# Altium PCB BOTTOM-COMPARATOR.PcbDoc (part 2 of 2)
Units mm, origin at the board's own origin, x right, y up, seen from the top; angles counter-clockwise.
Board outline 147.72 x 166.97 mm, 2 copper layers (Top Layer, Bottom Layer), stack 1.181 mm thick; 137 components, 83 nets, 480 pads, 108 vias.
Unrouted connection lines stored in the file: 4.
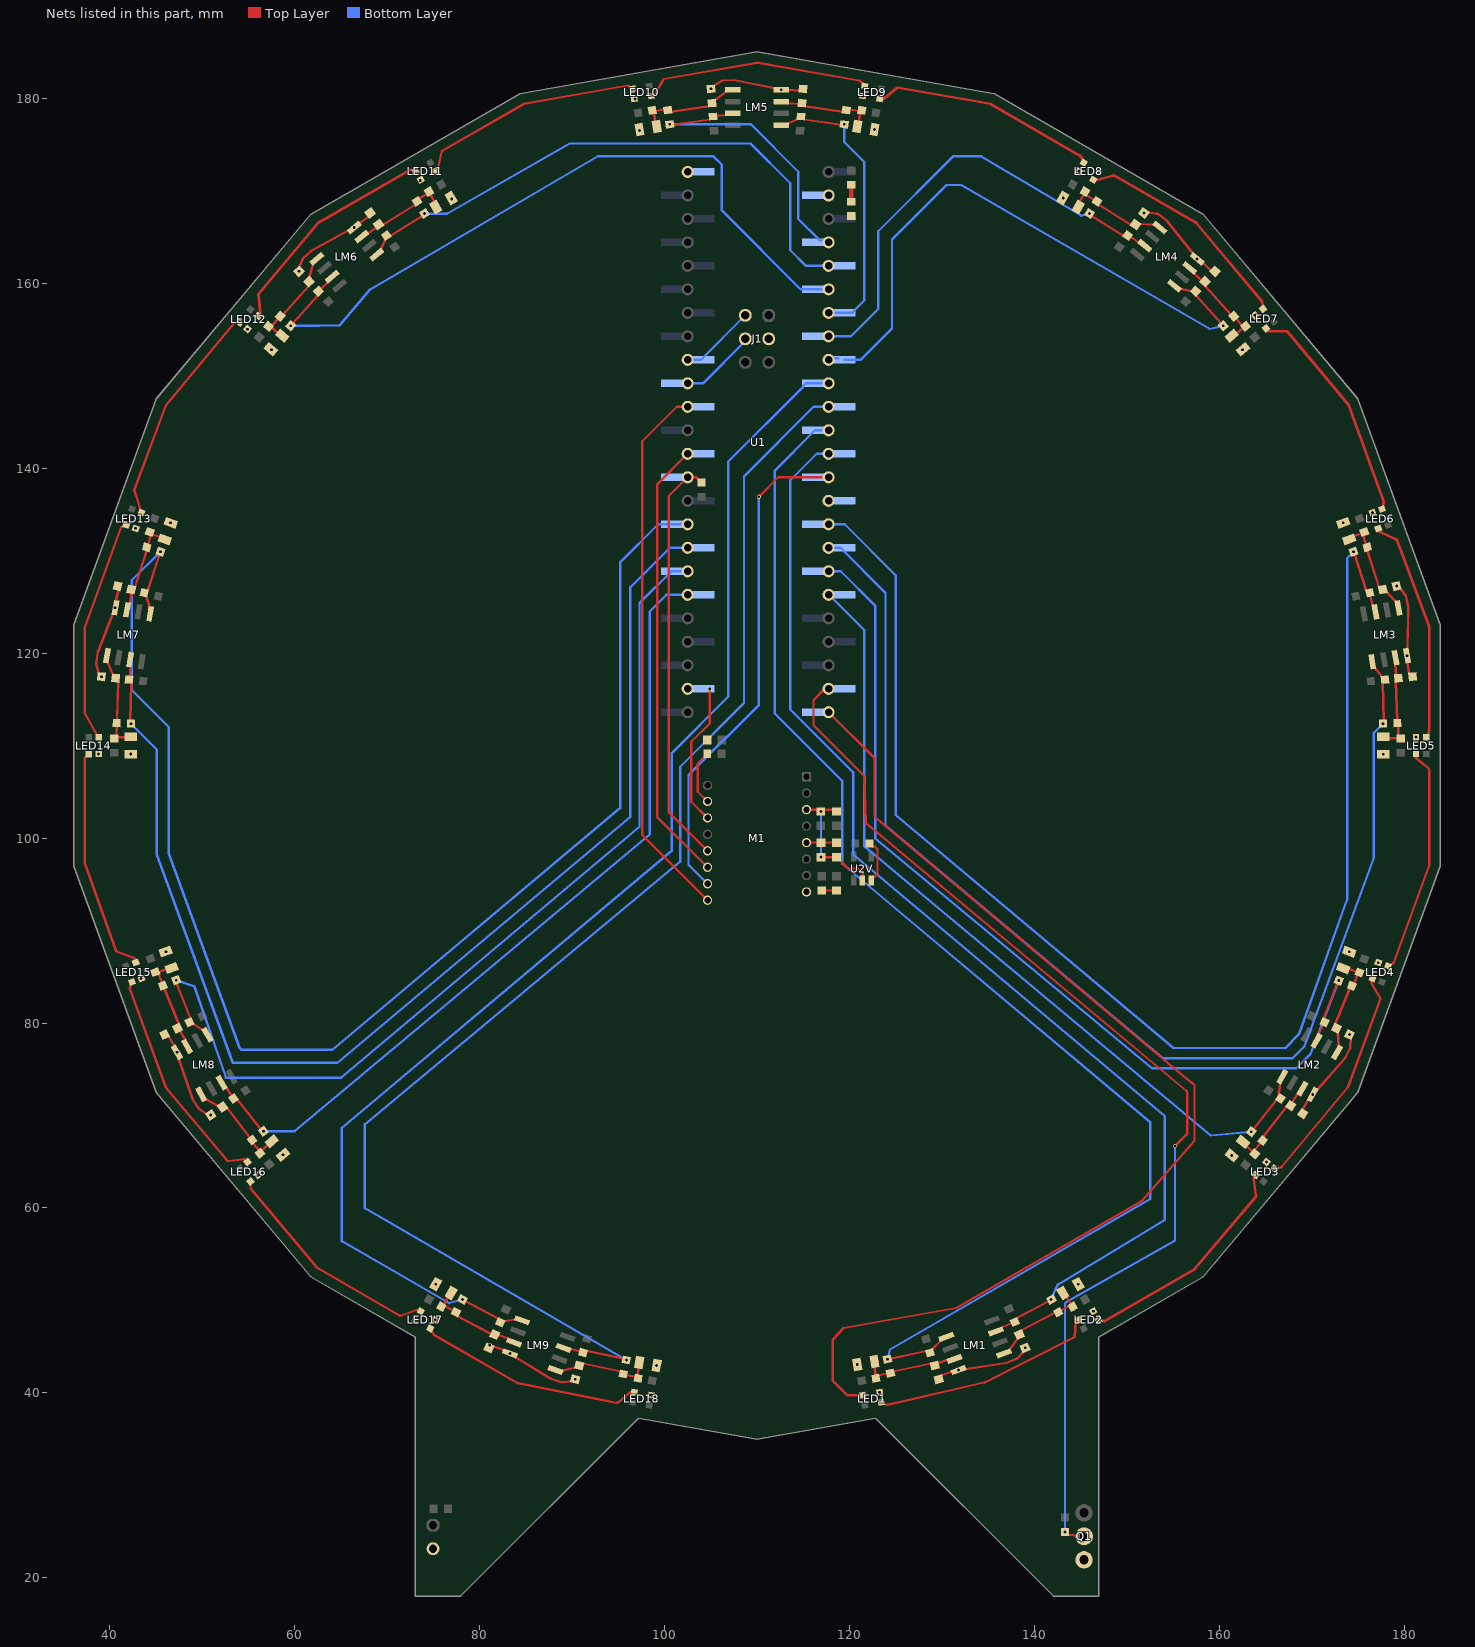
[diagram p2: the nets of this part, all layers, seen from the top]

## Via types
v1: diameter 0.45, hole 0.3, Top Layer to Bottom Layer, tented both sides, 102 vias
v2: diameter 0.5, hole 0.3, Top Layer to Bottom Layer, tented both sides, 3 vias
v3: diameter 6, hole 3, Top Layer to Bottom Layer, 3 vias

## Nets (pads, with @x,y where several pads share a name; then routed paths per layer and width w, separated by ;. In a path a pad name is that pad's centre, name@x,y a point inside that pad or via, vN(x,y) a via of type N, cw(c..) or ccw(c..) an arc to the next point about the centre after c; other vN are vias at no path point) (continued)
GND: C1.1 C01.1 C2.1 C02.2 C3.1 C03.1 C4.1 C04.1 C05.1 C5.2 C06.2 C6.2 C07.1 C7.2 C08.2 C09.1 C10.2 C11.1 C12.2 C13.1 C14.2 C15.1 C16.2 C17.1 C18.2 D1.A D2.A D3.A D4.A D5.A D6.A D7.A D8.A D9.A D10.A D11.A D12.A D13.A D14.A D15.A D16.A D17.A D18.A J1.2 LED1.2 LED2.2 LED3.2 LED4.2 LED5.2 LED6.2 LED7.2 LED8.2 LED9.2 LED10.2 LED11.2 LED12.2 LED13.2 LED14.2 LED15.2 LED16.2 LED17.2 LED18.2 LM1.4 LM2.4 LM3.4 LM4.4 LM5.4 LM6.4 LM7.4 LM8.4 LM9.4 M1.GND M1.GNDIO Q1.OUT R01.2 U1.GND U1.GND1 U1.GND3 U2V.2 VCC.GND | length 110
  Top Layer w0.254: v1(39.115,117.45) 38.83,117.83 38.555,118.738 cw(c38.798,118.812) 38.546,118.844 38.697,119.99 cw(c38.949,119.957) 38.712,120.049 40.345,124.235 v1(40.6,124.9) 40.601,124.906 40.679,125.614 40.987,126.849 C13.1@40.842,127.243 ; C15.1@45.938,78.756 46.381,78.585 47.013,77.49 v1(47.287,76.831) 47.491,76.131 48.931,71.875 ccw(c49.171,71.956) 48.957,71.821 49.581,70.841 ccw(c49.795,70.977) 49.645,70.772 50.469,70.17 v1(50.931,70.063) ; v1(60.489,161.271) 60.515,161.745 60.886,162.617 cw(c61.12,162.518) 60.948,162.705 61.8,163.486 ; 61.8,163.486 cw(c61.972,163.298) 61.85,163.521 65.791,165.678 v1(66.445,166) 66.986,166.457 68.01,167.201 C11.1@68.163,167.582 ; C17.1@81.01,44.887 81.186,44.947 81.459,45.041 82.646,44.609 v1(83.28,44.28) 83.886,43.875 87.724,41.54 ; 87.725,41.54 ccw(c87.856,41.757) 87.78,41.515 88.882,41.167 ccw(c88.958,41.41) 88.989,41.157 89.931,41.271 v1(90.354,41.486) ; v1(105.035,181.002) 105.36,181.348 106.187,181.866 cw(c106.322,181.651) 106.31,181.905 107.456,181.955 cw(c107.468,181.701) 107.517,181.95 111.923,181.068 v1(112.631,180.895) 113.339,180.897 114.603,180.808 C09.1@114.965,181.002 ; M1.GND@115.35,103.07 C5.2@118.405,103.07 ; C2.1@116.925,97.925 C1.1@118.6,97.925 118.625,97.925 119.85,96.7 120.9,96.7 121.418,96.182 121.418,95.418 U2V.2@121.4,95.4 ; C4.1@117,94.325 C3.1@118.6,94.325 ; C01.1@129.646,41.486 129.892,41.892 131.078,42.325 v1(131.775,42.48) 132.5,42.56 136.93,43.236 138.066,43.697 ; 138.067,43.697 ccw(c137.971,43.932) 138.156,43.759 138.804,44.45 v1(138.99,44.887) ; v1(151.836,167.582) 152.307,167.639 153.274,167.504 cw(c153.238,167.252) 153.392,167.454 ; 153.393,167.454 154.303,166.755 cw(c154.149,166.554) 154.346,166.714 ; 154.347,166.713 157.155,163.206 v1(157.586,162.618) 158.183,162.227 159.098,161.343 C07.1@159.512,161.271 ; LED7.2@163.701,156.344 v1(163.852,156.512) ; C03.1@169.007,70.199 168.973,70.642 169.603,71.733 v1(170.082,72.274) 170.586,72.8 173.552,76.175 ccw(c173.361,76.343) 173.586,76.225 174.12,77.25 ccw(c173.895,77.367) 174.148,77.354 174.199,78.301 v1(174.062,78.755) ; LED6.2@176.344,135.101 v1(176.547,135.196) ; v1(179.158,127.243) 179.555,126.983 180.125,126.225 cw(c179.922,126.072) 180.17,126.128 ; 180.17,126.127 180.42,125 cw(c180.172,124.945) 180.426,124.939 ; 180.426,124.939 180.323,120.446 v1(180.275,119.719) 180.308,119.006 180.527,117.763 C05.1@180.885,117.45 ; LED5.2@181.027,110.896 v1(181.25,110.915)
  Bottom Layer w0.254: v1@116.9,102.875 v1(116.912,102.862) v1(116.912,97.938) v1@116.925,97.925
  other v1: 98.546,39.772 123.256,40.09 99.145,42.967 120.838,43.066 81.1,45.2 75.217,47.926 146.369,48.839 75.277,51.757 144.723,51.757 56.085,63.566 165.091,64.967 161.328,65.69 58.75,65.756 43.4,84.8 177.174,86.525 46.1,87.7 174.037,87.703 177.7,109.05 38.8,109.1 42.3,109.1 42.8,133.5 173.388,134.082 46.6,134.1 57.5,152.8 162.5,152.8 54.9,155 77,169.1 143.1,169.2 73.6,171.1 144.8,172.1 97.3,176.5 122.7,176.6 96.8,179.9 121.4,180.2
LSR: Q1.GND R03.2 U1.34 | length 120.2
  Top Layer w0.254: U1.34@117.74,116.14 117.538,115.938 117.138,115.938 116.1,114.9 116.1,112.2 121.598,106.702 121.749,101.642 156.409,72.676 cw(c156.246,72.481) 156.5,72.481 156.5,68 v1(155.2,66.7) ; v1(143.3,24.975) 143.623,24.677 Q1.GND@145.358,24.5
  Bottom Layer w0.254: v1(143.3,24.975) 143.3,49.7 143.376,49.776 cw(c143.555,49.596) 143.43,49.817 155.2,56.5 v1(155.2,66.7)
MISO: M1.MISO R02.1 U1.12 | length 44.7
  Top Layer w0.254: U1.12@102.5,139 100.444,136.944 100.444,102.826 M1.MISO@104.65,98.62 ; U1.12@102.504,138.996 103.454,138.996 103.677,138.773 103.677,138.748 103.975,138.45 R02.1@104,138.45
MOSI: M1.MOSI U1.11 | length 48.3
  Top Layer w0.254: U1.11@102.5,141.54 99.2,138.24 99.2,102.29 M1.MOSI@104.65,96.84
MTN: M1.MTN U1.9 | length 59
  Top Layer w0.254: U1.9@102.5,146.62 101.32,146.62 97.6,142.9 97.6,100.33 M1.MTN@104.65,93.28
NetC01_2: C01.2 D1.K LM1.3 R1.1 R301.1 | length 11.2
  Top Layer w0.254: D1.K@123.039,43.413 D1.K@122.709,43.394 122.664,42.825 122.823,41.914 R1.1@122.849,41.591 123.099,41.894 124.101,42.107 R301.1@124.424,42.141 124.715,42.323 128.795,43.191 C01.2@129.219,42.976 129.515,43.207 130.616,43.594 LM1.3@131.341,43.673
NetC1_2: C1.2 C2.2 M1.REG | length 3.3
  Top Layer w0.254: M1.REG@115.35,99.51 118.565,99.51 C1.2@118.6,99.475
NetC02_1: C02.1 D2.K LM1.5 R2.1 R302.1 | length 11.9
  Top Layer w0.254: LM1.5@136.709,44.276 137.315,44.68 138.173,45.866 C02.1@138.36,46.303 138.546,46.74 142.229,48.698 R302.1@142.57,48.745 142.842,48.922 143.747,49.403 R2.1@144.128,49.338 ; D2.K@142.79,50.651 D2.K@143.077,50.81 143.479,50.403 143.939,49.602 R2.1@144.128,49.338 ; R2.1@144.186,48.999 R2.1@144.128,49.338
NetC03_2: C03.2 D3.K LM2.3 R3.1 R303.1 | length 11.2
  Top Layer w0.254: D3.K@162.72,67.431 D3.K@162.547,67.148 162.878,66.681 163.587,66.088 R3.1@163.814,65.856 163.816,66.243 164.447,67.051 R303.1@164.668,67.288 164.696,67.676 167.259,70.958 C03.2@167.722,71.066 167.857,71.395 168.478,72.382 LM2.3@168.982,72.909
NetC04_2: C04.2 D4.K LM2.5 R4.1 R304.1 | length 11.5
  Top Layer w0.254: LM2.5@172.707,76.82 172.911,77.52 172.806,78.98 C04.2@172.668,79.435 172.531,79.889 174.093,83.756 R304.1@174.323,84.012 174.571,84.26 174.925,85.228 R4.1@175.136,85.468 174.822,85.548 173.954,85.866 D4.K@173.385,85.919 D4.K@173.226,85.628
NetC05_2: C05.2 D5.K LM3.3 R5.1 R305.1 | length 10.7
  Top Layer w0.254: D5.K@177.7,110.95 178.253,110.805 179.277,110.805 179.438,110.79 179.331,111.073 179.331,112.098 R305.1@179.233,112.418 179.204,112.74 179.058,116.908 C05.2@179.343,117.288 179.131,117.616 179.009,118.777 LM3.3@179.025,119.498
NetC06_1: C06.1 D6.K LM3.5 R6.1 R306.1 | length 11.5
  Top Layer w0.254: D6.K@174.113,131.975 D6.K@174.035,132.296 174.505,132.621 175.374,132.936 R6.1@175.667,133.076 175.536,132.712 175.853,131.737 R306.1@175.98,131.438 175.967,131.094 177.256,127.128 C06.1@177.654,126.868 178.051,126.608 179.071,125.556 LM3.5@179.364,124.889
NetC07_2: C07.2 D7.K LM4.3 R7.1 R307.1 | length 10.6
  Top Layer w0.254: LM4.3@156.77,161.645 157.222,161.082 158.062,160.27 C07.2@158.435,160.156 158.461,159.682 161.252,156.582 R307.1@161.556,156.421 161.775,156.184 162.432,155.397 162.686,155.241 162.552,155.149 161.843,154.556 D7.K@161.328,154.31
NetC08_1: C08.1 D8.K LM4.5 R8.1 R308.1 | length 11.3
  Top Layer w0.254: D8.K@144.724,168.244 144.878,168.793 145.338,169.595 R8.1@145.472,169.89 145.602,169.516 146.47,168.974 R308.1@146.763,168.833 146.922,168.479 150.453,166.271 C08.1@150.925,166.328 151.396,166.385 152.911,166.315 LM4.5@153.565,165.993
NetC09_2: C09.2 D9.K LM5.3 R9.1 R309.1 | length 10.8
  Top Layer w0.254: LM5.3@112.631,179.625 113.339,179.452 114.502,179.37 C09.2@114.857,179.455 115.181,179.109 119.305,178.529 R309.1@119.655,178.7 119.994,178.789 121.008,178.611 R9.1@121.323,178.677 121.147,178.38 120.987,177.47 D9.K@120.838,176.935
NetC10_1: C10.1 D10.K LM5.5 R10.1 R310.1 | length 11.3
  Top Layer w0.254: D10.K@99.162,176.935 99.013,177.47 98.853,178.38 R10.1@98.677,178.677 98.992,178.61 100.006,178.789 R310.1@100.345,178.7 100.695,178.53 104.819,179.109 C10.1@105.143,179.455 105.468,179.802 106.673,180.722 LM5.5@107.381,180.895
NetC11_2: C11.2 D11.K LM6.3 R11.1 R311.1 | length 11
  Top Layer w0.254: LM6.3@67.261,165.028 67.915,165.35 68.857,166.035 C11.2@69.075,166.328 69.546,166.271 73.077,168.479 R311.1@73.237,168.833 73.439,169.119 74.331,169.635 R11.1@74.529,169.888 74.671,169.597 75.133,168.797 D11.K@75.4,168.1
NetC12_1: C12.1 D12.K LM6.5 R12.1 R312.1 | length 11.2
  Top Layer w0.254: D12.K@58.7,154.3 58.22,154.62 57.515,155.22 R12.1@57.184,155.33 57.559,155.403 58.245,156.165 R312.1@58.444,156.421 58.748,156.582 61.54,159.682 C12.1@61.566,160.156 61.592,160.63 61.992,162.038 LM6.5@62.423,162.626
NetC13_2: C13.2 D13.K LM7.3 R13.1 R313.1 | length 10.8
  Top Layer w0.254: LM7.3@41.889,124.681 42.182,125.349 42.398,126.497 C13.2@42.346,126.868 42.744,127.128 44.033,131.094 R313.1@44.02,131.438 44.143,131.738 44.46,132.714 R13.1@44.335,133.075 44.597,132.85 45.47,132.539 D13.K@45.97,132.294
NetC14_1: C14.1 D14.K LM7.5 R14.1 R314.1 | length 11.2
  Top Layer w0.254: LM7.5@39.727,119.732 39.774,119.004 40.372,117.668 C14.1@40.657,117.288 40.942,116.908 40.796,112.74 R314.1@40.767,112.418 40.786,112.094 40.751,111.073 R14.1@40.5,110.775 40.823,110.896 41.747,110.896 D14.K@42.3,110.95
NetC15_2: C15.2 D15.K LM8.3 R15.1 R315.1 | length 10.8
  Top Layer w0.254: D15.K@46.707,85.952 46.169,85.814 45.301,85.498 R15.1@44.956,85.501 45.294,85.307 45.677,84.36 R315.1@45.769,84.049 45.907,83.756 47.469,79.89 C15.2@47.332,79.435 47.61,79.184 48.183,78.165 LM8.3@48.387,77.466
NetC16_1: C16.1 D16.K LM8.5 R16.1 R316.1 | length 11.9
  Top Layer w0.254: LM8.5@50.326,71.706 LM8.5@49.912,72.284 50.416,71.758 51.753,71.038 C16.1@52.216,70.931 52.678,70.824 55.201,67.594 R316.1@55.412,67.35 55.504,67.011 56.164,66.227 R16.1@56.261,65.919 56.431,66.219 57.138,66.814 D16.K@57.527,67.21
NetC17_2: C17.2 D17.K LM9.3 R17.1 R317.1 | length 12.5
  Top Layer w0.254: D17.K@76.521,50.403 D17.K@76.923,50.81 ; D17.K@76.932,50.167 D17.K@76.923,50.81 ; R317.1@77.297,49.158 R317.1@77.442,48.744 ; LM9.3@83.714,45.473 83.108,45.878 82.015,46.29 C17.2@81.64,46.303 81.29,46.372 80.995,46.503 cw(c81.098,46.736) 80.979,46.511 80.978,46.512 77.588,48.329 R317.1@77.442,48.744 ; D17.K@76.923,50.81 76.6,50.358 76.14,49.557 R17.1@75.872,49.338 76.255,49.407 77.17,48.92 R317.1@77.442,48.744
NetC18_1: C18.1 D18.K LM9.5 R18.1 R318.1 | length 11.1
  Top Layer w0.254: LM9.5@88.213,42.484 88.938,42.405 90.358,42.761 C18.1@90.781,42.976 91.205,43.191 95.285,42.323 R318.1@95.555,42.043 95.86,41.923 96.875,41.742 R18.1@97.151,41.593 97.089,41.932 97.231,42.742 D18.K@97.274,43.297
NetD01_C: D01.C R01.1 | length 1.8
  Top Layer w0.5: D01.C@120.191,170.626 120.196,170.622 120.196,168.804 R01.1@120.2,168.8
NetLED1_1: LED1.1 LED2.3 | length 24.5
  Top Layer w0.254: LED1.1@123.447,39.007 123.706,38.826 124.034,38.731 ; 124.035,38.731 ccw(c124.104,38.975) 124.161,38.728 134.555,41.123 ; 134.555,41.123 ccw(c134.498,41.371) 134.612,41.144 144.341,46.07 144.455,47.776 144.473,47.786 144.548,47.889 LED2.3@144.783,47.926
NetLED1_3: LED1.3 U1.33 | length 118.8
  Top Layer w0.254: U1.33@117.74,113.6 122.7,108.64 122.7,102.305 156.04,74.33 157.3,73.3 157.3,67.268 151.603,60.768 131.547,49.188 119.346,47.019 118.2,45.789 118.2,41.3 119.728,39.772 LED1.3@121.454,39.772
NetLED2_1: LED2.1 LED3.3 | length 24.6
  Top Layer w0.3: LED2.1@146.917,47.886 147.19,47.812 147.463,47.776 ; 147.464,47.775 ccw(c147.503,48.073) 147.653,47.813 157.23,53.319 ccw(c157.08,53.579) 157.309,53.385 163.866,61.14 ccw(c163.637,61.334) 163.935,61.372 163.713,63.097 ; 163.713,63.098 cw(c164.011,63.135) 163.781,63.328 163.824,63.38 LED3.3@163.916,63.563
NetLED3_1: LED3.1 LED4.3 | length 25
  Top Layer w0.254: LED3.1@165.934,64.261 166.248,64.289 166.609,64.391 ccw(c166.539,64.636) 166.735,64.473 173.873,73.067 ccw(c173.677,73.229) 173.916,73.142 177.405,82.627 176.457,84.299 ; 176.457,84.3 cw(c176.678,84.424) 176.44,84.511 176.471,84.596 LED4.3@176.545,84.807 LED4.3@176.678,84.521
NetLED4_1: LED4.1 LED5.3 | length 24.6
  Top Layer w0.254: LED4.1@178.207,86.148 178.493,86.281 178.778,86.473 ccw(c178.636,86.684) 178.875,86.597 182.651,96.972 ccw(c182.412,97.059) 182.666,97.059 182.669,107.379 ccw(c182.415,107.38) 182.576,107.576 181.309,108.611 ; LED5.3@181.25,109.085 181.216,108.862 181.216,108.807 ccw(c181.47,108.807) 181.309,108.611
NetLED5_1: LED5.1 LED6.3 | length 24.5
  Top Layer w0.3: LED6.3@177.171,133.475 177.255,133.23 ccw(c177.539,133.328) 177.415,133.054 179.066,132.307 ; 179.067,132.307 cw(c178.943,132.034) 179.224,132.138 182.663,122.85 182.664,122.849 cw(c182.382,122.746) 182.682,122.746 182.682,111.7 182.55,111.115 LED5.1@182.35,110.915
NetLED6_1: LED6.1 LED7.3 | length 24.7
  Top Layer w0.3: LED7.3@165.028,155.11 165.114,154.954 165.126,154.932 165.147,154.907 ccw(c165.377,155.1) 165.377,154.8 167.161,154.8 cw(c167.161,154.5) 167.391,154.693 173.915,146.895 ; 173.916,146.894 cw(c173.685,146.702) 173.967,146.805 177.716,136.52 ; LED6.1@177.581,135.57 177.701,135.827 177.734,136.401 ccw(c177.434,136.418) 177.716,136.519
NetLED7_1: LED7.1 LED8.3 | length 24.5
  Top Layer w0.3: LED8.3@146.37,171.162 146.472,171.059 148.446,171.609 ; 148.447,171.609 cw(c148.527,171.32) 148.676,171.58 157.377,166.591 ; 157.378,166.59 cw(c157.228,166.331) 157.457,166.524 164.513,158.138 ; 164.514,158.138 cw(c164.284,157.945) 164.573,158.026 164.719,157.501 LED7.1@164.694,157.219
NetLED8_1: LED8.1 LED9.3 | length 24.8
  Top Layer w0.3: LED9.3@123.256,179.91 123.461,179.921 123.541,179.907 ccw(c123.593,180.203) 123.787,179.974 125.066,181.056 cw(c125.259,180.827) 125.31,181.122 135.197,179.381 cw(c135.145,179.086) 135.294,179.346 ; 135.295,179.345 144.908,173.789 cw(c144.758,173.53) 145.012,173.689 ; 145.012,173.689 145.256,173.299 LED8.1@145.33,173.026 LED8.1@145.154,173.122
NetLED9_1: LED9.1 LED10.3 | length 25
  Top Layer w0.254: LED10.3@98.727,180.486 LED10.3@98.546,180.228 98.788,180.277 ccw(c98.737,180.526) 98.957,180.399 99.917,182.067 110.07,183.829 121.028,181.9 cw(c120.984,181.649) 121.15,181.842 121.464,181.569 LED9.1@121.645,181.311
NetLED10_1: LED10.1 LED11.3 | length 25
  Top Layer w0.254: LED11.3@75.299,172.38 LED11.3@75.217,172.075 75.427,172.242 ccw(c75.269,172.441) 75.518,172.389 75.891,174.164 cw(c76.139,174.111) 76.013,174.332 84.826,179.393 96.02,181.367 LED10.1@96.553,180.993
NetLED11_1: LED11.1 LED12.3 | length 24.9
  Top Layer w0.3: LED12.3@56.055,156.724 LED12.3@56.082,156.442 56.218,156.603 ccw(c55.989,156.797) 56.288,156.826 56.095,158.804 62.589,166.53 cw(c62.819,166.337) 62.682,166.604 62.967,166.749 72.519,172.264 LED11.1@73.083,172.113
NetLED12_1: LED12.1 LED13.3 | length 24.5
  Top Layer w0.254: LED13.3@43.45,135.2 43.315,135.485 43.234,135.862 ccw(c42.861,135.781) 43.223,135.899 42.666,137.61 46.116,146.808 53.451,155.675 LED12.1@54.068,155.733
NetLED13_1: LED13.1 LED14.3 | length 24.4
  Top Layer w0.254: LED14.3@38.847,110.914 38.624,111.137 37.3,113.545 37.3,122.678 41.248,133.586 LED13.1@41.798,133.846
NetLED14_1: LED14.1 LED15.3 | length 24.7
  Top Layer w0.254: LED14.1@37.748,109.084 37.3,108.637 37.3,97.385 37.315,97.3 40.722,87.744 42.578,87.046 ; 42.579,87.046 cw(c42.489,86.808) 42.727,86.895 42.782,86.746 LED15.3@42.828,86.525
NetLED15_1: LED15.1 LED16.3 | length 24.8
  Top Layer w0.254: 42.202,83.805 ccw(c42.449,83.744) 42.211,83.656 46.062,73.081 ccw(c46.301,73.168) 46.106,73.004 52.683,65.167 ; 42.203,83.806 42.287,84.143 LED15.1@42.42,84.429 ; 52.683,65.167 ccw(c52.877,65.33) 52.91,65.079 54.469,65.283 cw(c54.502,65.031) 54.697,65.195 54.752,65.128 LED16.3@54.906,64.966
NetLED16_1: LED16.1 LED17.3 | length 24.7
  Top Layer w0.254: 55.23,62.213 ccw(c55.483,62.225) 55.289,62.061 62.424,53.558 ; 55.229,62.214 55.216,62.544 LED16.1@55.243,62.858 ; 62.424,53.558 ccw(c62.618,53.722) 62.49,53.502 71.418,48.336 ; 71.42,48.334 73.2,48.965 cw(c73.285,48.725) LED17.3@73.395,48.954 ; LED17.3@73.396,48.954 LED17.3@73.631,48.839
NetLED17_1: LED17.1 LED18.3 | length 24.8
  Top Layer w0.254: LED17.1@74.669,46.973 75.07,46.296 84.203,41.039 93.942,39.092 94.779,38.924 ccw(c94.829,39.173) 94.994,38.98 96.226,40.037 cw(c96.391,39.844) 96.435,40.094 96.516,40.08 LED18.3@96.744,40.09 LED18.3@96.486,39.909
NetLM1_1: LM1.1 R201.1 R301.2 U1.15 | length 145.7
  Top Layer w0.254: v1(124.102,43.657) 124.421,43.708 128.312,44.535 R201.1@128.705,44.337 128.934,44.712 129.866,45.656 LM1.1@130.472,46.06
  Bottom Layer w0.254: U1.15@117.74,144.08 116.28,144.08 111.9,139.7 111.9,113.5 119.2,106.2 119.2,97.223 152.5,69.281 152.5,60.972 124.381,44.702 v1(124.102,43.657)
NetLM1_7: LM1.7 R219.2 R302.2 U1.14 | length 126.2
  Top Layer w0.254: LM1.7@135.84,46.662 136.446,47.067 137.572,47.571 R219.2@137.879,47.676 138.052,48.08 141.565,49.948 R302.2@141.842,50.114
  Bottom Layer w0.254: U1.14@117.74,141.54 116.451,141.54 113.6,138.689 113.6,113.9 120.4,107.1 120.4,98.199 154.1,69.939 154.1,58.7 142.576,51.746 ccw(c142.707,51.528) 142.469,51.618 v1(141.8,50.1)
NetLM2_1: LM2.1 R202.1 R303.2 U1.38 | length 89.5
  Top Layer w0.254: v1(163.447,68.243) 163.653,68.492 166.175,71.72 R202.1@166.406,71.775 ; R202.1@166.435,71.574 R202.1@166.406,71.775 ; R202.1@166.603,71.821 R202.1@166.406,71.775 ; LM2.1@166.782,74.179 166.578,73.479 166.371,72.009 R202.1@166.406,71.775
  Bottom Layer w0.254: U1.38@117.74,126.3 117.8,126.3 121.6,122.5 121.6,99.207 121.6,99.103 121.691,99.012 159.059,67.846 v1(163.447,68.243)
NetLM2_7: LM2.7 R203.2 R304.2 U1.39 | length 103.9
  Top Layer w0.254: LM2.7@170.507,78.09 170.711,78.79 171.2,79.791 R203.2@171.365,80.07 171.239,80.491 172.774,84.289 v1(172.886,84.592)
  Bottom Layer w0.254: U1.39@117.74,128.84 119.049,128.84 122.8,125.089 122.8,123.9 ; 122.799,99.958 152.744,75.1 168.3,75.1 169.85,76.65 v1(172.886,84.592) ; 122.8,99.958 122.8,123.905
NetLM3_1: LM3.1 R206.1 R305.2 U1.40 | length 132.2
  Top Layer w0.254: LM3.1@176.523,119.057 176.817,118.39 177.571,117.426 R206.1@177.901,117.136 177.638,116.784 177.781,112.69 v1(177.684,112.364)
  Bottom Layer w0.254: U1.40@117.74,131.38 119.02,131.38 123.9,126.5 123.9,101.44 123.9,101.336 123.991,101.245 153.838,76.2 167.9,76.2 169.185,77.485 176.7,97.91 176.7,111.38 v1(177.684,112.364)
NetLM3_7: LM3.7 R207.2 R306.2 U1.41 | length 149.2
  Top Layer w0.254: v1(174.505,130.959) 174.614,130.655 175.88,126.759 R207.2@176.247,126.517 176.299,126.197 176.569,125.115 LM3.7@176.862,124.448
  Bottom Layer w0.254: U1.41@117.74,133.92 119.48,133.92 125,128.4 125,102.515 125.061,102.454 ; 125.058,102.456 155.038,77.3 167.154,77.3 168.562,78.761 ccw(c168.379,78.937) 168.618,78.851 173.8,93.342 173.8,130.254 v1(174.505,130.959)
NetLM4_1: LM4.1 R208.1 R307.2 U1.18 | length 67
  Top Layer w0.254: LM4.1@155.137,159.699 155.791,159.377 156.988,159.123 R208.1@157.428,159.113 157.453,158.674 160.194,155.63 v1(160.404,155.384)
  Bottom Layer w0.254: U1.18@117.74,151.7 117.915,151.875 U1.18@118.775,151.875 ; U1.18@119.45,151.7 121.2,151.7 124.6,155.1 124.6,164.7 130.5,170.6 132.077,170.6 158.974,155.033 v1(160.404,155.384)
NetLM4_7: LM4.7 R209.2 R308.2 U1.19 | length 50
  Top Layer w0.254: v1(145.942,167.519) 146.167,167.271 149.636,165.103 R209.2@150.072,165.155 150.377,165.024 151.278,164.369 LM4.7@151.932,164.047
  Bottom Layer w0.254: U1.19@117.74,154.24 120.14,154.24 123.1,157.2 123.1,165.6 131.2,173.7 134.227,173.7 145.043,167.289 v1(145.942,167.519)
NetLM5_1: LM5.1 R210.1 R309.2 U1.20 | length 31.6
  Top Layer w0.254: LM5.1@112.631,177.085 113.339,177.258 114.412,177.733 R210.1@114.755,178.008 115.056,177.688 119.107,177.119 v1(119.439,177.165)
  Bottom Layer w0.254: U1.20@117.74,156.78 120.38,156.78 120.38,156.91 121.6,158.13 121.6,173.1 119.439,175.261 v1(119.439,177.165)
NetLM5_7: LM5.7 R211.2 R310.2 U1.23 | length 32.5
  Top Layer w0.254: v1(100.561,177.165) 100.893,177.12 104.943,177.689 R211.2@105.244,178.009 105.562,178.104 106.673,178.182 LM5.7@107.381,178.355
  Bottom Layer w0.254: v1(100.561,177.165) 109.335,177.165 114.469,172.031 114.469,166.931 116.798,164.602 117.538,164.602 U1.23@117.74,164.4
NetLM6_1: LM6.1 R212.1 R311.2 U1.22 | length 62.6
  Top Layer w0.254: LM6.1@68.894,163.082 69.325,163.669 69.842,164.723 R212.1@69.928,165.154 70.364,165.103 73.832,167.27 v1(74.058,167.519)
  Bottom Layer w0.254: v1@74.081,167.5 76.412,167.5 76.479,167.5 76.538,167.533 89.775,175.1 109.3,175.1 113.6,170.8 113.6,163.549 115.289,161.86 U1.22@117.74,161.86
NetLM6_7: LM6.7 R213.2 R312.2 U1.21 | length 79.7
  Top Layer w0.254: v1(59.596,155.384) 59.806,155.63 62.547,158.674 R213.2@62.572,159.113 62.814,159.328 63.624,160.092 LM6.7@64.056,160.68
  Bottom Layer w0.254: v1(59.596,155.384) 62.6,155.384 64.879,155.421 68.163,159.301 92.756,173.7 105.3,173.7 106.2,172.8 106.2,167.844 114.724,159.32 U1.21@116.05,159.32 U1.21@117.74,159.32
NetLM7_1: LM7.1 R214.1 R313.2 U1.24 | length 151.5
  Top Layer w0.254: LM7.1@44.39,124.24 44.343,124.968 43.964,126.132 R214.1@43.753,126.517 44.12,126.759 45.386,130.655 v1(45.495,130.959)
  Bottom Layer w0.254: v1(45.495,130.959) 42.4,127.864 42.4,116 46.4,112 46.4,98.332 54.067,77.267 54.234,77.1 54.306,77.1 63.988,77.1 64.081,77.1 64.152,77.16 95.197,103.237 95.197,129.797 99.32,133.92 U1.24@100.8,133.92 U1.24@102.5,133.92
NetLM7_7: LM7.7 R215.2 R314.2 U1.25 | length 131.8
  Top Layer w0.254: LM7.7@42.228,119.291 42.276,118.563 42.146,117.456 R215.2@42.099,117.137 42.362,116.784 42.219,112.69 v1(42.316,112.364)
  Bottom Layer w0.254: v1(42.316,112.364) 45.1,109.58 45.1,98.232 53.31,75.7 64.637,75.7 96.3,102.268 96.3,127.1 100.58,131.38 U1.25@102.5,131.38
NetLM8_1: LM8.1 R216.1 R315.2 U1.26 | length 105.2
  Top Layer w0.254: v1(47.206,84.63) 47.226,84.289 48.761,80.491 R216.1@48.635,80.07 49.044,79.91 50.083,79.262 LM8.1@50.586,78.736
  Bottom Layer w0.254: v1(47.206,84.63) 49.149,83.984 52.578,74.1 65.047,74.1 97.3,101.216 97.3,125.4 100.74,128.84 U1.26@102.5,128.84
NetLM8_7: LM8.7 R217.2@53.397,71.821 R316.2 U1.27 | length 89.4
  Top Layer w0.254: LM8.7@52.112,73.554 52.616,73.028 53.227,72.096 R217.2@53.397,71.821 53.825,71.72 56.348,68.491 v1(56.634,68.304)
  Bottom Layer w0.254: v1(56.634,68.304) 60.036,68.304 98.4,100.376 98.4,124.5 100.2,126.3 U1.27@102.5,126.3
NetLM9_1: LM9.1 R217.1@82.23,47.628 R317.2 U1.17 | length 140
  Top Layer w0.254: v1(78.17,50.112) 78.45,49.949 82.056,48.031 R217.1@82.23,47.628 82.646,47.768 83.858,47.94 LM9.1@84.583,47.86
  Bottom Layer w0.254: v1(78.17,50.112) 76.698,49.718 65.1,56.414 65.1,68.658 100.8,98.634 100.8,109.2 106.9,115.3 106.9,140.7 114.977,148.777 114.977,148.887 115.25,149.16 U1.17@117.74,149.16
NetLM9_7: LM9.7 R218.2 R318.2 U1.16 | length 149.9
  Top Layer w0.254: LM9.7@89.082,44.871 89.806,44.791 90.878,44.484 R218.2@91.181,44.37 91.574,44.567 95.581,43.716 v1(95.878,43.559)
  Bottom Layer w0.254: v1(95.878,43.559) 67.6,59.984 67.6,69.036 101.7,97.446 101.7,107.7 108.6,114.6 108.6,139.1 116.12,146.62 U1.16@117.74,146.62
NetM1_LED: M1.LED RLED.1 | length 6.1
  Top Layer w0.254: RLED.1@104.56,109.035 RLED.1@104.625,109.1 104.625,109.075 103.6,108.05 103.6,105.01 M1.LED@104.65,103.96
NetR04_2: R04.2 U2V.3 | length 4.9
  Top Layer w0.254: R04.2@122.175,99.4 122.175,99.375 122.473,99.077 122.733,99.077 123.031,98.779 123.031,96.121 122.733,95.823 122.523,95.823 122.35,95.65 U2V.3@122.35,95.4
RST: M1.RST U1.31 | length 15.5
  Top Layer w0.254: M1.RST@104.65,102.18 102.9,103.93 102.9,110.4 104.9,112.4 v2(104.9,116.1)
RX-LINE: J1.5 U1.8 | length 8.4
  Bottom Layer w0.254: U1.8@102.5,149.16 104.16,149.16 108.73,153.73 J1.5@108.73,153.975
SCLK: M1.SCLK U1.13 | length 54.2
  Top Layer w0.254: v1(110.2,136.9) 112.3,139 U1.13@117.74,139
  Bottom Layer w0.254: M1.SCLK@104.65,95.06 102.6,97.11 102.6,106.8 110.2,114.4 v1@110.2,136.84
TX-LINE: J1.6 U1.7 | length 8.2
  Bottom Layer w0.254: U1.7@102.5,151.7 103.915,151.7 J1.6@108.73,156.515
pads on no net: LED18.1 M1.NC U1.28 U1.29 U1.30 U2V.4
copper on no net:
  other v3: 55.15,90.025 164.85,90.05 110,168.825

## Polygon pours and split planes (outlines as drawn)
GND on Top Layer "GND_L01_P000" (solid, pour order 0): 214.9,7.099 214.9,222.699 0,222.699 0,7.299
GND on Bottom Layer "GND_L02_P001" (solid, pour order 1): 13.4,218.3 13.4,218.9 214.1,218.9 214.1,0 0,0

## Silkscreen, mask and mechanical layers (free items; w line width, h text height)
Top Overlay:
  text "GND" at 206.954,169.254 h1
  text "VIN" at 189.754,168.754 h1
  text "PWM-5" at 204.954,166.654 h1
  text "GND" at 189.754,166.254 h1
  text "PWM-6" at 204.954,164.154 h1
  text "3V" at 189.754,163.654 h1
  text "PWM-4" at 204.954,161.554 h1
  text "10" at 188.054,161.054 h1
  text "PWM-3" at 204.954,159.054 h1
  text "11" at 188.054,158.654 h1
  text "T" at 107.346,157.046 h1 r180
  text "BV" at 114.346,157.046 h1 r180
  text "PWM-7" at 204.954,156.554 h1
  text "12" at 188.054,156.054 h1
  text "R" at 107.346,154.446 h1 r180
  text "G" at 113.246,154.446 h1 r180
  text "PWM-8" at 204.954,153.954 h1
  text "9" at 188.054,153.554 h1
  text "B" at 107.346,151.946 h1 r180
  text "B" at 113.346,151.946 h1 r180
  text "PWM-9" at 204.954,151.354 h1
  text "8" at 188.054,150.954 h1
  text "TX" at 207.954,148.854 h1
  text "7" at 188.054,148.554 h1
  text "RX" at 207.954,146.354 h1
  text "17" at 188.054,145.954 h1
  text "MTN" at 206.954,143.754 h1
  text "18" at 188.054,143.454 h1
  text "CS" at 207.954,141.254 h1
  text "1" at 188.054,140.854 h1
  text "MO" at 207.954,138.854 h1
  text "2" at 188.054,138.454 h1
  text "MI" at 208.254,136.154 h1
  text "SCLK" at 188.154,135.654 h1
  text "3V" at 207.954,133.554 h1
  text "GND" at 188.154,133.154 h1
  text "13" at 207.954,131.054 h1
  text "5" at 188.154,130.554 h1
  text "14" at 207.954,128.654 h1
  text "6" at 188.154,128.154 h1
  text "15" at 207.954,126.054 h1
  text "4" at 188.154,125.554 h1
  text "16" at 207.954,123.554 h1
  text "3" at 188.154,123.054 h1
  text "PWM-2" at 188.054,120.454 h1
  text "PWM-1" at 188.054,118.054 h1
  text "EN-2V" at 188.154,115.354 h1
  text "RST" at 206.954,113.354 h1
  text "LSR" at 188.154,112.854 h1
  text "EN-LSR" at 203.954,110.854 h1
  text "LSR" at 188.154,110.254 h1
Bottom Overlay:
  text "T" at 106.654,157.046 h1 r180
  text "BV" at 112.654,157.046 h1 r180
  text "R" at 106.654,154.446 h1 r180
  text "G" at 112.554,154.446 h1 r180
  text "B" at 106.654,151.946 h1 r180
  text "B" at 112.654,151.946 h1 r180
Mechanical 1:
  circle w0.013: c55.152,90.037 r1.5
  circle w0.013: c164.848,90.037 r1.5
  circle w0.013: c110,168.812 r1.5
  circle w0.013: c55.152,90.037 r1.5
  circle w0.013: c164.848,90.037 r1.5
  circle w0.013: c110,168.812 r1.5
  lines w0.013: 47.139,98.916 48.442,95.337 ; 47.139,98.916 47.139,121.084 ; 47.139,98.916 48.442,95.337 ; 47.139,98.916 47.139,121.084 ; 47.139,121.084 54.721,141.915 ; 47.139,121.084 54.721,141.915 ; 48.442,95.337 58.02,95.337 ; 48.442,95.337 58.02,95.337 ; 53.23,82.182 54.721,78.085 ; 53.23,82.182 60.756,87.82 ; 53.23,82.182 54.721,78.085 ; 53.23,82.182 60.756,87.82 ; 54.721,78.085 63.409,78.085 ; 54.721,78.085 63.409,78.085 ; 54.721,141.915 68.971,158.897 ; 54.721,141.915 68.971,158.897 ; 58.02,95.337 60.756,87.82 ; 58.02,95.337 60.756,87.82 ; 63.409,78.085 94,103.754 ; 63.409,78.085 94,103.754 ; 68.971,61.103 88.169,50.019 ; 68.971,61.103 68.971,68.393 ; 68.971,61.103 88.169,50.019 ; 68.971,61.103 68.971,68.393 ; 68.971,68.393 94,89.395 ; 68.971,68.393 94,89.395 ; 68.971,158.897 88.169,169.981 ; 68.971,158.897 88.169,169.981 ; 88.169,50.019 110,46.17 ; 88.169,50.019 110,46.17 ; 88.169,169.981 94,164.504 ; 88.169,169.981 94,164.504 ; 94,89.395 126,89.395 ; 94,89.395 126,89.395 ; 94,103.754 94,164.504 ; 94,103.754 94,164.504 ; 110,46.17 131.831,50.019 ; 110,46.17 131.831,50.019 ; 126,89.395 151.029,68.393 ; 126,89.395 151.029,68.393 ; 126,103.754 156.591,78.085 ; 126,103.754 126,164.504 ; 126,103.754 156.591,78.085 ; 126,103.754 126,164.504 ; 126,164.504 131.831,169.981 ; 126,164.504 131.831,169.981 ; 131.831,50.019 151.029,61.103 ; 131.831,50.019 151.029,61.103 ; 131.831,169.981 151.029,158.897 ; 131.831,169.981 151.029,158.897 ; 151.029,61.103 151.029,68.393 ; 151.029,61.103 151.029,68.393 ; 151.029,158.897 165.279,141.915 ; 151.029,158.897 165.279,141.915 ; 156.591,78.085 165.279,78.085 ; 156.591,78.085 165.279,78.085 ; 159.244,87.82 161.98,95.337 ; 159.244,87.82 166.77,82.182 ; 159.244,87.82 161.98,95.337 ; 159.244,87.82 166.77,82.182 ; 161.98,95.337 171.558,95.337 ; 161.98,95.337 171.558,95.337 ; 165.279,78.085 166.77,82.182 ; 165.279,78.085 166.77,82.182 ; 165.279,141.915 172.861,121.084 ; 165.279,141.915 172.861,121.084 ; 171.558,95.337 172.861,98.916 ; 171.558,95.337 172.861,98.916 ; 172.861,98.916 172.861,121.084 ; 172.861,98.916 172.861,121.084 ; 36.139,96.976 36.139,123.024 45.048,147.5 61.791,167.453 84.348,180.477 110,185 135.652,180.477 158.209,167.453 174.952,147.5 183.861,123.024 183.861,96.976 174.952,72.5 158.209,52.547 146.93,46.035 146.93,18.035 142.052,18.035 122.826,37.262 110,35 97.174,37.262 77.948,18.035 73.07,18.035 73.07,46.035 61.791,52.547 45.048,72.5 36.139,96.976